# Altium PCB 三代8次PCB.PcbDoc
Units mil, origin at the board's own origin, x right, y up, seen from the top; angles counter-clockwise.
Board outline 1220.44 x 1471.88 mil, 2 copper layers (Top Layer, Bottom Layer); 83 components, 61 nets, 263 pads, 270 vias.
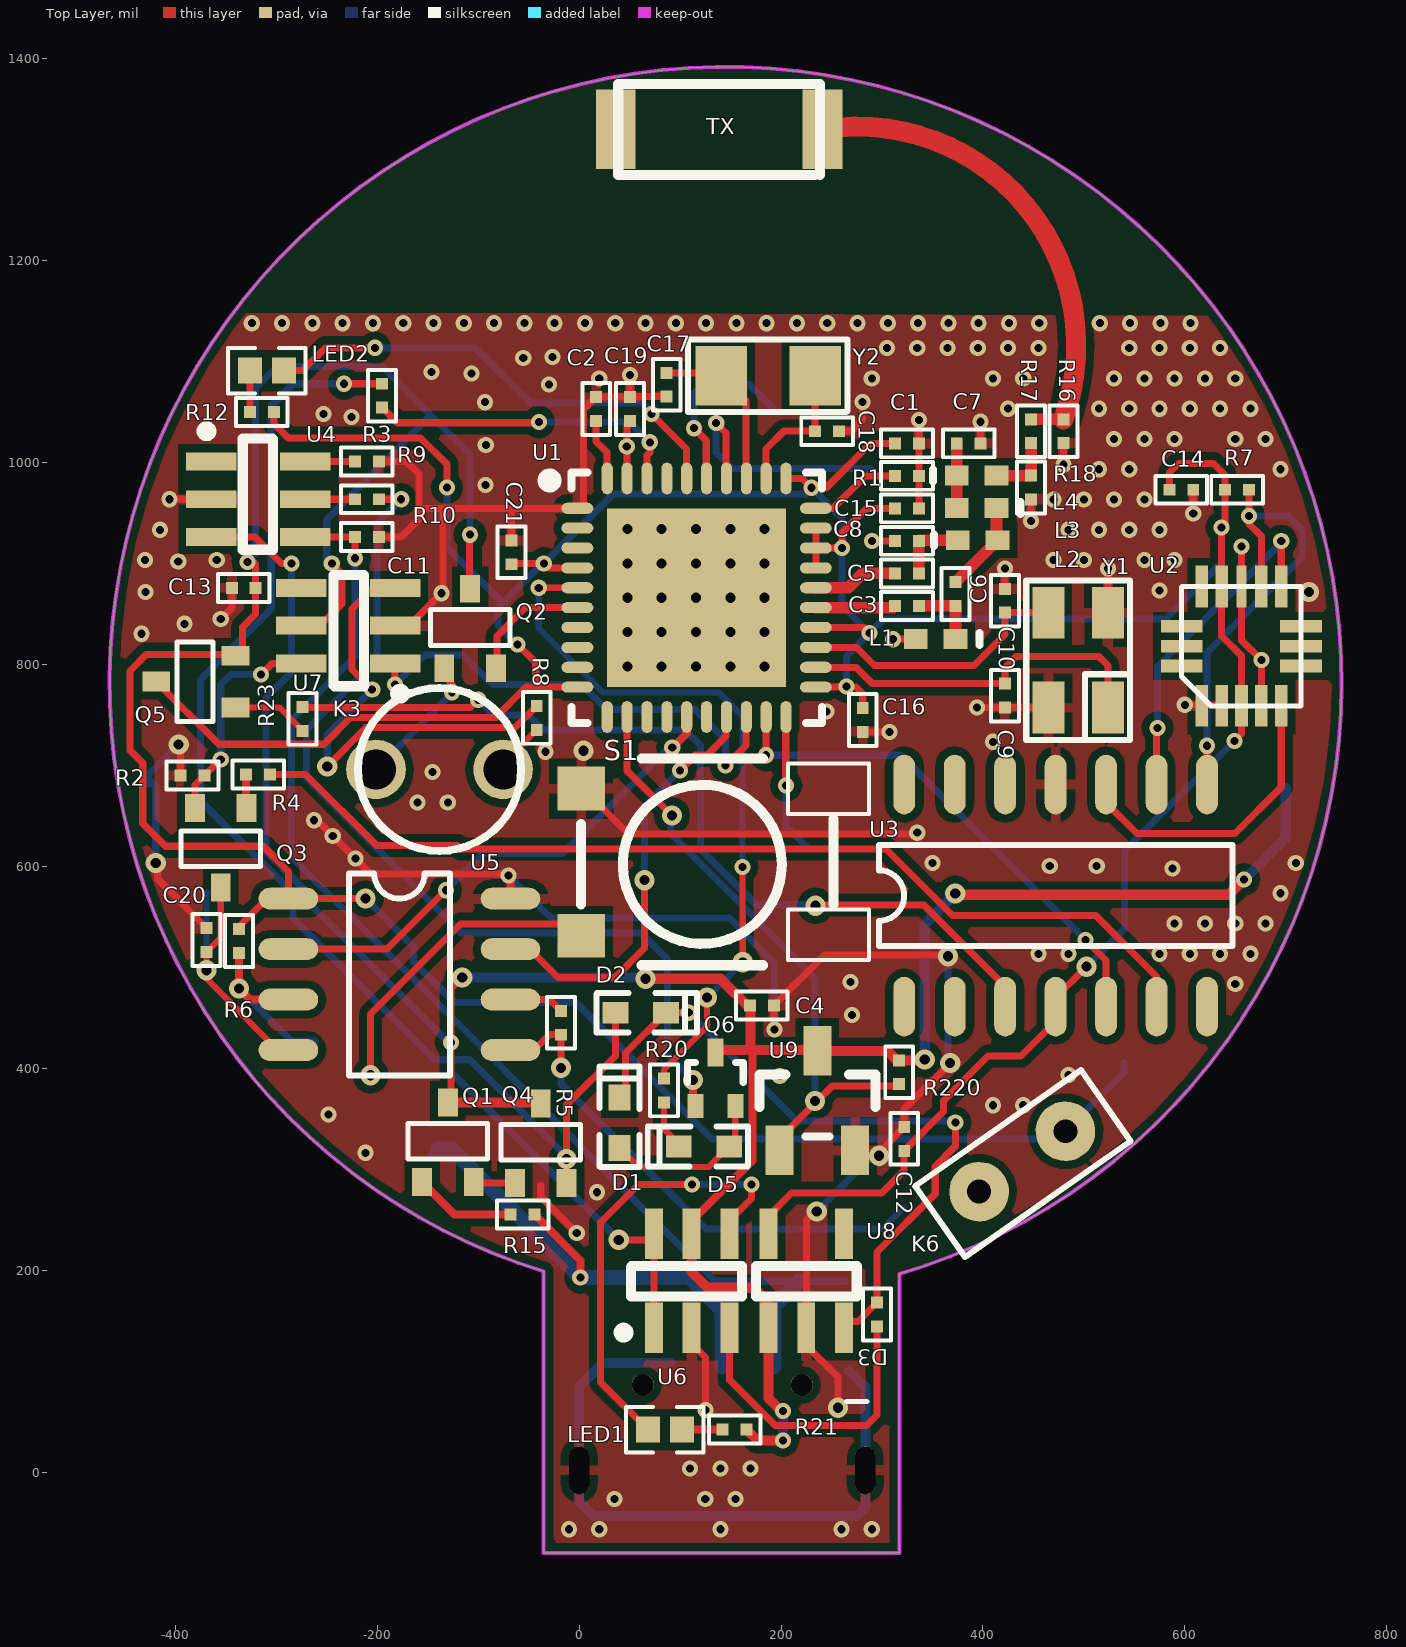
[diagram p0: Top Layer view]
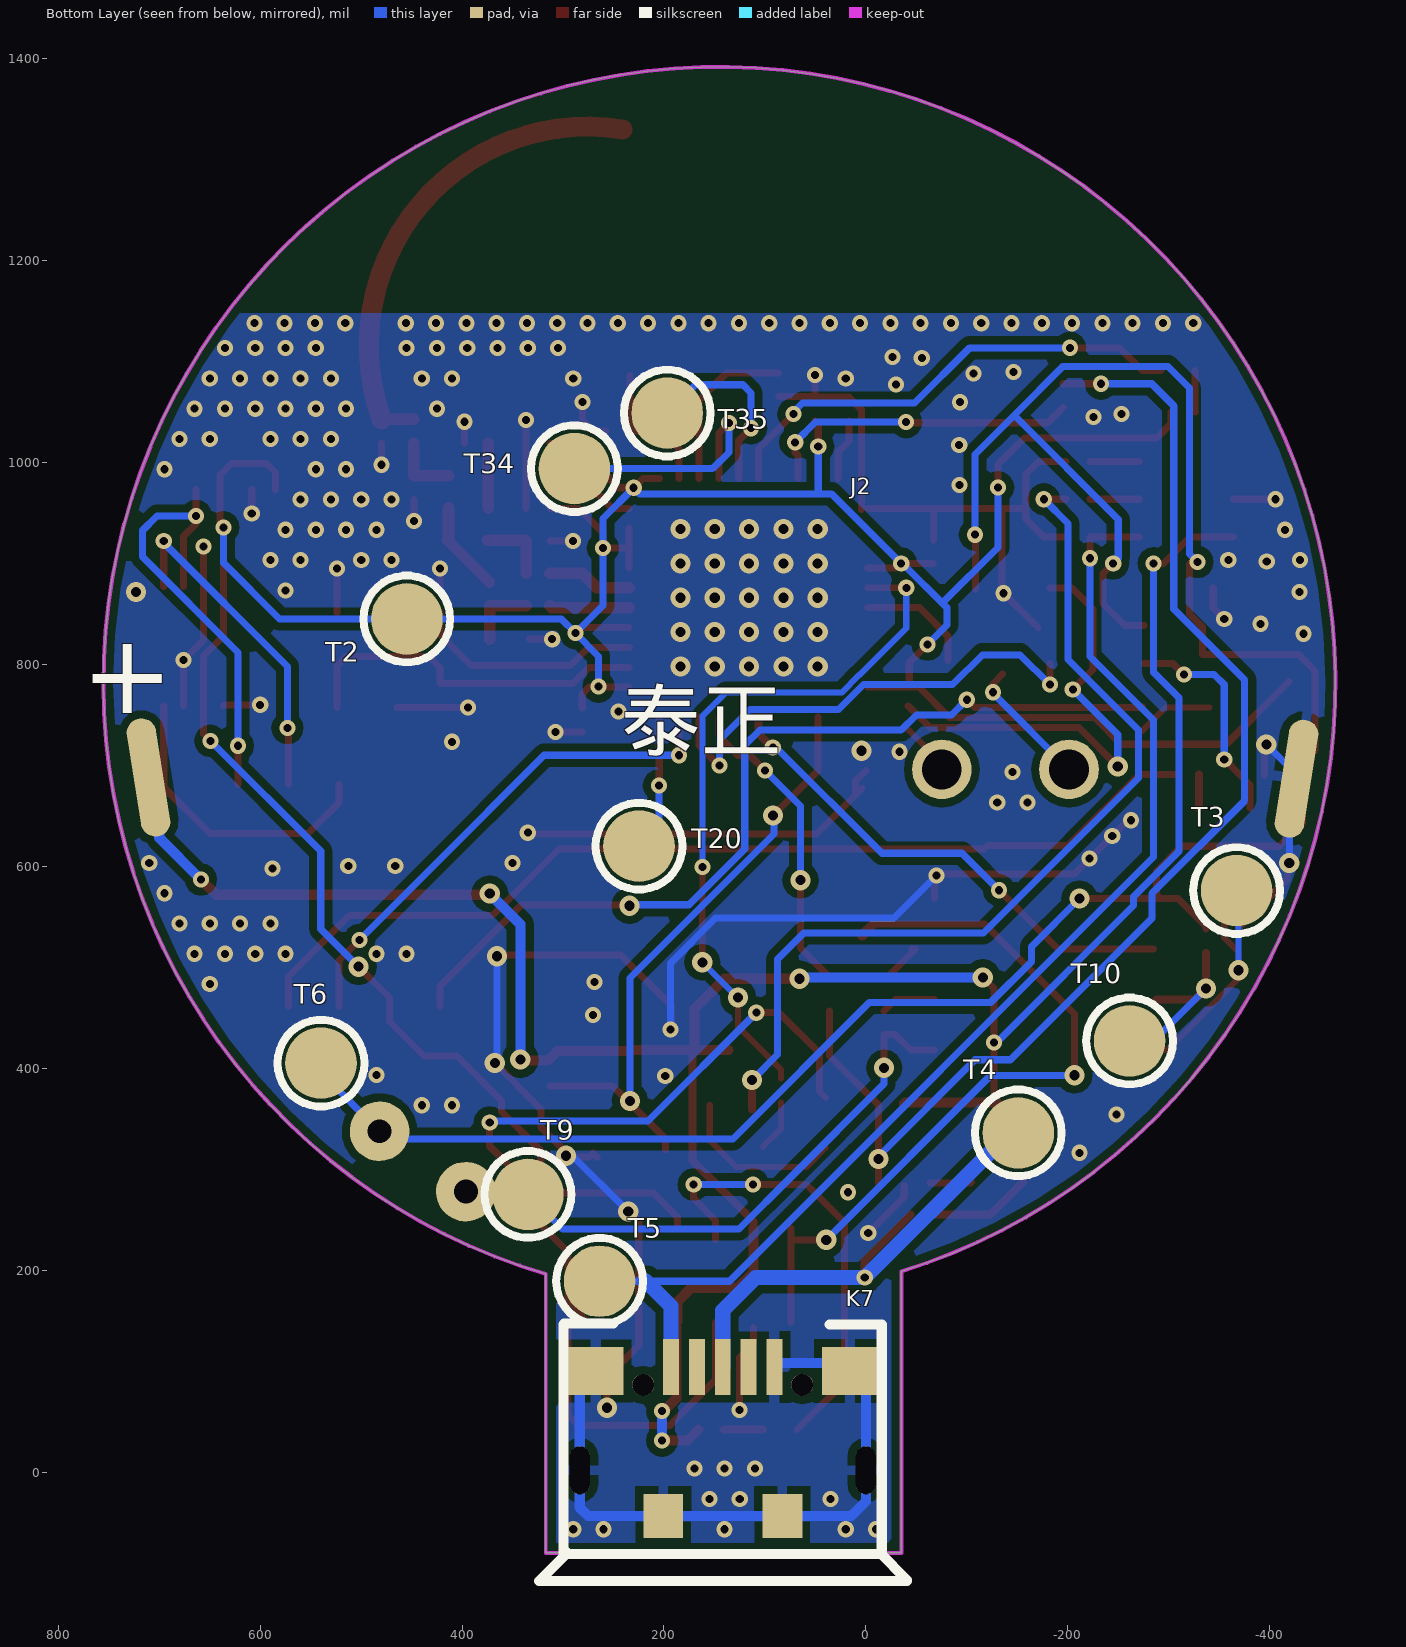
[diagram p1: Bottom Layer view, seen from below]

## Layer stack, top to bottom
Top Layer: signal copper 1.4
Dielectric: dielectric 12.6, FR-4, Dk 4.8
Bottom Layer: signal copper 1.4

## Board outline
-35.27,-80 -35.14,198.76 -35.15,198.7 cw(c145.09,781.71) 317.09,196.22 317.09,196.2 317.09,-80

## Design rules (kind name [scope] priority, off if disabled: settings)
Clearance Clearance_1 [InPoly] p1: gap=6
Clearance [All] p2: gap=3
ComponentClearance [All] p1: gap=0 collisioncheckmode=3 verticalgap=0 showdistances=FALSE
FabricationTestPointUsage TestPointUsage [All] p1: valid=0 allowmultiple=FALSE
FabricationTestpoint Testpoint [(IsPad And (OnTopLayer Or OnBottomLayer))] p1: side=3 testpointundercomponent=TRUE minsize=40 maxsize=100 preferedsize=60 minholesize=0 maxholesize=40 preferedholesize=32 testpointgrid=1 allowsidetop=TRUE allowsidebottom=TRUE usegrid=TRUE gridtolerance=0.01
HoleSize [All] p1: absolutevalues=TRUE maxlimit=200 minlimit=1 maxpercent=80.000 minpercent=20.000
HoleToHoleClearance [All] p1: gap=0 allowstackedmicrovias=TRUE
LayerPairs [All] p1: enforce=FALSE
MinimumSolderMaskSliver [All] p1: minsoldermaskwidth=0
PlaneConnect [All] p1: planeconnectstyle=Direct reliefexpansion=20 reliefentries=4 reliefconductorwidth=10 reliefairgap=10
PolygonConnect PolygonConnect_1 [IsVia] p1: connectstyle=Direct reliefconductorwidth=10 reliefentries=4 polygonreliefangle="90 Angle"
PolygonConnect [All] p2: connectstyle=Relief reliefconductorwidth=10 reliefentries=4 polygonreliefangle="90 Angle"
RoutingVias [All] p1: holewidth=8 width=16 viastyle="Through Hole" minholewidth=1 minwidth=1 maxholewidth=1000 maxwidth=1000
SilkToSilkClearance [All] p1: silktosilkclearance=0
SilkscreenOverComponentPads SilkToSolderMaskClearance [IsPad] p1: minsilkscreentomaskgap=0
SolderMaskExpansion [All] p1: expansion=4
Width [All] p1: maxlimit=100 minlimit=6 preferedwidth=7
18 further rules are at their usual default settings.

## Components (designator, comment, footprint, x,y, rotation, side; value= is the part's Value field where it differs from the comment)
C1 "" 0201 324.73,1019 r180 top locked
C2 "" 0201 16.86,1053 r90 top locked
C3 "" 0201 324.73,858 r180 top locked
C4 "105" 0201 181,462 r180 top
C5 "15P" 0201 324.73,890.2 r180 top locked
C6 "104" 0201 372.73,869.81 r90 top locked
C7 "15P" 0201 385.86,1019 r180 top locked
C8 "15P" 0201 324.73,922.4 r0 top locked
C9 "15P" 0201 421.73,769.08 r270 top locked
C10 "15P" 0201 421.73,863.08 r90 top locked
C11 "" 0201 -210.27,926.2 r0 top locked
C12 "105" 0201 322,330 r90 top
C13 "105" 0201 -332.27,875.8 r180 top
C14 "2.2uF" 0201 596.49,973 r180 top locked
C15 "15P" 0201 324.73,954.6 r180 top locked
C16 "15P" 0201 280.93,745 r270 top locked
C17 "15P" 0201 86.73,1077 r270 top
C18 "15P" 0201 245.58,1031 r0 top locked
C19 "15P" 0201 50.36,1053 r90 top locked
C20 "105" 0201 -369,527 r90 top
C21 "15P" 0201 -67,911 r90 top
D1 "Diode 1N4007" 0402D 40,321 r90 top
D2 "Diode 1N4007" 0402D 36,455 r0 top
D3 "Diode 1N4007" 0201 295,156 r90 top
D5 "Diode 1N4007" 0402D 148.65,322.4 r180 top
J2 "Comment" J1A 70.59,958.02 r180 top locked
K3 "" K3 -75.27,696 r180 top locked
K6 "" K6 535.73,375.4 r215 top
K7 "Comment" ? 141.73,-83 r180 bottom locked
L1 "Inductor" 0402-A 353.05,825 r180 top locked
L2 "Inductor" 0402-A 394.73,923 r0 top locked
L3 "Inductor" 0402-A 393.73,955 r180 top locked
L4 "Inductor" 0402-A 393.73,987 r0 top locked
LED1 "LED0" 0402_R 85,42 r180 top
LED2 "LED0" 0402_R -309.27,1091 r0 top locked
Q1 "8550" SOT-323 -130,366 r0 top
Q2 "8550" SOT-323 -108,875 r0 top
Q3 "8550" SOT-323 -355,579 r180 top
Q4 "S8050" SOT-323 -38,365 r0 top
Q5 "8550" SOT-323 -419,783 r90 top
Q6 "8550" LC-SOT-523 135,389 r270 top
R1 "56K" 0201 324.73,986.8 r180 top locked
R2 "100K" 0201 -383,690 r180 top
R3 "4.7K" 0201 -195.27,1066.19 r90 top
R4 "100K" 0201 -318,691 r180 top
R5 "10K" 0201 -18,445 r90 top
R6 "10K" 0201 -337,526 r270 top
R7 "10K" 0201 651.73,973 r0 top locked
R8 "4.7K" 0201 -42,747 r90 top
R9 "2K" 0201 -210.27,1001 r0 top locked
R10 "10K" 0201 -210.27,963.6 r180 top locked
R12 "10K" 0201 -314.27,1050 r180 top locked
R15 "100" 0201 -56,255 r180 top
R16 "1.2M" 0201 479.73,1031 r270 top locked
R17 "2K" 0201 447.73,1031 r270 top locked
R18 "10K" 0201 447.73,975.19 r270 top locked
R20 "10K" 0201 84,378 r90 top
R21 "4K7" 0201 154,42 r180 top
R23 "4.7K" 0201 -274,746 r90 top
R220 "10K" RES 317,396 r180 top
S1 "SW" PCBComponent_1 2,677 r0 top locked
T2 "Component_1" TP 454.73,845 r0 top
T3 "Component_1" TP -367.27,576 r0 top
T4 "Component_1" TP -151,336 r0 top
T5 "Component_1" TP 263.73,189 r0 top
T6 "Component_1" TP 539.73,405 r0 top
T9 "Component_1" TP 334.73,275 r0 top
T10 "Component_1" TP -261.27,427 r0 top
T20 "Component_1" TP 224.73,620 r0 top
T34 "Component_1" TP 288.73,994 r0 top
T35 "Component_1" TP 196.73,1049 r0 top
TX "Antenna" WIRE 138.73,1330 r180 top locked
U1 "U3" LC-QFN-40_6x6x05P 116.4,866.05 r270 top locked
U2 "U4" U2-4 616.73,759 r90 top locked
U3 "U3" SOP14 322,461 r90 top locked
U4 "" SOT23-6 -364.27,1001 r0 top locked
U5 "" SO-8 -288,568 r0 top locked
U6 "Component_1_2" SOT23-6 74,143 r90 top
U7 "" SOT23-6 -182.27,801 r180 top locked
U8 "" SOT23-5 186,143 r90 top
U9 "ME2808A" LC-SOT-23(SOT-23-3) 236,368 r270 top
Y1 "Y1" CY_3225 481.73,761 r90 top locked
Y2 "XTAL" CRYSTAL_3215 174.73,1059 r0 top locked

## Footprints (in the part's own frame and the unit in brackets; to place one, negate y for a bottom-side part, rotate by r counter-clockwise, add the part's x,y. Pads: shape width x height; smd on the part's side, far side on the other; paste and mask are expansions set on the pad)
0201 [mm] "1/20W贴片电阻"
  rect 0.3x0.3 smd: 1(-0.3,0) 2(0.3,0)
  silkscreen extent -0.65,-0.35 0.65,0.35, body extent -0.3,-0.15 0.3,0.15, height 0.23
0402-A [mm] "Chip Inductor, Body 1.0x0."
  rect 0.6x0.5 smd: 1(-0.5,0) 2(0.5,0)
  silkscreen extent -1.1,-0.15 -1.1,0.15, body extent -0.55,-0.3 0.55,0.3, height 0.55
0402_R [mm]
  rect 0.6x0.65 smd mask+0.051: 1(-0.425,0) 2(0.425,0)
  silkscreen extent -0.97,-0.58 0.97,0.58, body extent -0.57,-0.27 0.58,0.28, height 0.41
0402D [mm]
  rect 0.65x0.55 smd: 1(0,0) 2(1.27,0)
  silkscreen extent -0.48,-0.5 2.05,0.5
CRYSTAL_3215 [mm]
  rect 1.3x1.5 smd: 1(-0.862,0.685) 2(1.5,0.685)
  silkscreen extent -1.7,-0.23 2.31,1.6
CY_3225 [mm]
  rect 1.3x0.8 smd: 1(-0.095,-1.07) 2(2.293,-1.07) 3(2.293,0.428) 4(-0.095,0.428)
  silkscreen extent -0.91,-1.63 3.11,0.99
J1A [mm]
  oval 3x0.75 smd far side rot 81: 1(-16.256,6.858)
  oval 3x0.75 smd far side rot 99: 2(12.628,6.89)
K3 [mm]
  round 1.5 hole 1: 1(0,0) 2(3.2,0)
  silkscreen extent -0.45,-2.05 3.65,2.05
K6 [mm]
  round 1.5 hole 0.6: 1(1.675,0) 2(4.325,0)
  silkscreen extent 0.47,-1.04 5.56,1.14
LC-QFN-40_6x6x05P [mm]
  oval 0.28x0.8 smd mask+0.051: 1(-2.25,-3) 2(-1.75,-3) 3(-1.25,-3) 4(-0.75,-3) 5(-0.25,-3) 6(0.25,-3) 7(0.75,-3) 8(1.25,-3) 9(1.75,-3) 10(2.25,-3) 21(2.25,3) 22(1.75,3) 23(1.25,3) 24(0.75,3) 25(0.25,3) 26(-0.25,3) 27(-0.75,3) 28(-1.25,3) 29(-1.75,3) 30(-2.25,3)
  oval 0.8x0.28 smd mask+0.051: 11(3,-2.25) 12(3,-1.75) 13(3,-1.25) 14(3,-0.75) 15(3,-0.25) 16(3,0.25) 17(3,0.75) 18(3,1.25) 19(3,1.75) 20(3,2.25) 31(-3,2.25) 32(-3,1.75) 33(-3,1.25) 34(-3,0.75) 35(-3,0.25) 36(-3,-0.25) 37(-3,-0.75) 38(-3,-1.25) 39(-3,-1.75) 40(-3,-2.25)
  rect 4.5x4.5 smd mask+0.051: 41(0,0)
  silkscreen extent -3.15,-3.85 3.15,3.15
LC-SOT-23(SOT-23-3) [mm]
  rect 1.25x0.7 smd: 1(1.25,-0.95) 2(1.25,0.95) 3(-1.25,0)
  silkscreen extent -0.65,-1.46 0.9,1.46, body extent -1.5,-1.5 1.5,1.5, height 1.3
LC-SOT-523 [mm]
  rect 0.6x0.4 smd: B(0.675,-0.5) E(0.675,0.5)
  rect 0.7x0.4 smd: C(-0.675,0)
  silkscreen extent -0.42,-0.7 0.08,0.7, body extent -0.83,-0.8 0.77,0.8, height 0.8
PCBComponent_1 [mm]
  rect 1.2x1.1 smd: 1(0,0) 3(0,-3.7)
  silkscreen extent 0,-4.44 7.24,0.76
RES [mm]
  rect 0.3x0.3 smd: 1(0,-0.3) 2(0,0.3)
  silkscreen extent -0.35,-0.65 0.35,0.65, body extent -0.15,-0.3 0.15,0.3, height 0.23
SO-8 [mm]
  oval 1.5x0.55 smd: 1(0,0) 2(0,-1.27) 3(0,-2.54) 4(0,-3.81) 5(5.588,-3.81) 6(5.588,-2.54) 7(5.588,-1.27) 8(5.588,0)
  silkscreen extent 1.52,-4.44 4.06,0.64
SOP14 [mm]
  oval 1.5x0.55 smd: 1(0,0) 2(0,-1.27) 3(0,-2.54) 4(0,-3.81) 5(0,-5.08) 6(0,-6.35) 7(0,-7.62) 8(5.588,-7.62) 9(5.588,-6.35) 10(5.588,-5.08) 11(5.588,-3.81) 12(5.588,-2.54) 13(5.588,-1.27) 14(5.588,0)
  silkscreen extent 1.52,-8.25 4.06,0.64
SOT23-5 [mm]
  rect 1.27x0.45 smd: 1(0,-0.041) 2(0,-0.991) 3(0,-1.941) 4(2.362,-1.941) 5(2.362,-0.041)
  silkscreen extent 0.79,-2.26 1.55,0.28
SOT23-6 [mm]
  rect 1.27x0.45 smd: 1(0,0) 2(0,-0.95) 3(0,-1.9) 4(2.362,-1.9) 5(2.362,-0.95) 6(2.362,0)
  silkscreen extent -0.25,-2.22 1.55,0.89
SOT-323 [mm]
  rect 0.5x0.7 smd: B(-0.65,-2) C(0,0) E(0.65,-2)
  silkscreen extent -1,-1.43 1,-0.53
TP [mm]
  round 1.8 smd far side: 1(0,0)
U2-4 [mm]
  rect 1.05x0.32 smd: 1(0,0) 2(0,-0.5) 3(0,-1) 4(0,-1.5) 5(0,-2) 9(3,-2) 10(3,-1.5) 12(3,-0.5) 13(3,0)
  round 0.7 on Top Overlay: 1(0.1,0.9)
  rect 0.32x1.05 smd: 6(1,-2.5) 7(1.5,-2.5) 8(2,-2.5) 14(2,0.5) 15(1.5,0.5) 16(1,0.5)
  rect 1.05x0.25 smd: 11(3,-1)
  silkscreen extent 0,-2.5 3,0.51
WIRE [mm]
  rect 1x2 smd: 1(-2.6,0) 2(2.6,0)
  silkscreen extent -2.54,-1.14 2.54,1.14
? [mm]
  rect 1.4x1.2 smd: 0(-3.2,4.65) 0(3.2,4.65)
  rect 1x1.1 smd: 0(-1.5,1) 0(1.5,1)
  rect 0.4x1.4 smd: 1(-1.3,4.75) 2(-0.65,4.75) 3(0,4.75) 4(0.65,4.75) 5(1.3,4.75)
  round 0.55 hole 0.55 unplated: 2(-2,4.3) 3(2,4.3)
  oval 0.5x1.2 hole 0.5 slot 1.2 at 90 deg unplated: 6(-3.6,2.15)
  oval 0.5x1.2 hole 0.5 slot 1.2 at 90 deg: 7(3.6,2.15)
  silkscreen extent -4.62,-0.64 4.63,5.84

## Part data
C1 C2 C3 C4 C5 C6 C7 C8 C9 C10 C11 C12 C13 C14 C15 C16 C17 C18 C19 C20 C21: library part Cap, "Capacitor"
D1 D2 D3 D5: "1 Amp General Purpose Rectifier"
J2 K3 K6: library part J1
K7: library part K7
LED1 LED2: "Typical INFRARED GaAs LED"
Q1 Q2 Q3 Q5 Q6: library part NPN, "NPN Bipolar Transistor"
Q4: "NPN Transistor"
R1 R2 R3 R4 R5 R6 R7 R8 R9 R10 R12 R15 R16 R17 R18 R20 R21 R23 R220: library part Res2, "Resistor"
S1 U4 U7: library part Component_1
TX: "Generic Antenna"
U1: library part SS245
U5: library part IC
U8: library part U8
Y2: "Crystal Oscillator"

## Via types
v1: diameter 16, hole 8, Top Layer to Bottom Layer, tented both sides, 182 vias
v2: diameter 20, hole 10, Top Layer to Bottom Layer, 54 vias
v3: diameter 16, hole 8, Top Layer to Bottom Layer, 34 vias

## Nets (pads, with @x,y where several pads share a name; then routed paths per layer and width w, separated by ;. In a path a pad name is that pad's centre, name@x,y a point inside that pad or via, vN(x,y) a via of type N, cw(c..) or ccw(c..) an arc to the next point about the centre after c; other vN are vias at no path point)
3.3V: C1.2 C12.1 C14.2 C15.2 C16.1 C19.1 C21.1 Q5.C R7.1 R12.1 T2.1 U1.4 U1.10 U1.21 U1.24 U1.27 U1.28 U1.29 U1.31 U1.39 U2.3 U2.12 U3.4 U8.5 | length 3562.2
  Top Layer w7: Q5.C -356.92,720.92 -252.82,720.92 -226.35,747.4 -82.61,747.4 -52.53,777.47 U1.10 ; R12.1 -302.46,1038.68 -288.2,1024.43 -157.19,1024.43 -130.98,998.21 v1(-130.98,975.38) ; C21.1@-67,900 v1(-35,900) ; v1(-61.07,819.8) -43,801.73 -43,778.09 ; v1@-34.58,900.42 -29.74,895.58 U1.4 ; U1.39@47.18,984.16 v1(47.18,1016) 47.18,1038.01 C19.1 ; U8.5@186.6,242 186.6,252.39 210.47,276.26 299.68,276.26 322,298.58 C12.1 360.82,357.01 360.82,367.8 405.02,412 437.63,412 472,446.37 U3.4 472,470.03 v2(502.54,500.58) ; U1.31@204.66,984.1 U1.31@204.66,984.16 ; U1.31 220.84,984.16 v1(230,975) 244.73,975 288.73,1019 C1.2 ; U1.21@234.51,777.63 v1@264.73,777.63 ; U1.24 v1@282.21,836.52 ; U1.27 U1.28 ; U1.29 U1.28 ; 274.1,777.63 280.93,770.8 C16.1 ; C15.2 284.6,954.6 260.47,930.47 v1(260.47,915.26) U1.28 ; C14.2 584.68,989.94 593.73,999 628.42,999 639.92,987.49 639.92,939.19 v1(636.42,935.68) 636.42,828.32 656.1,808.63 U2.3 656.1,731.1
  Bottom Layer w7: v1(-130.98,975.38) -130.98,915.98 -76.16,861.16 ; v1(-61.07,819.8) -80.27,839 -80.27,856.18 -36.45,900 v1(-35,900) 34,969 224,969 ; 47.18,969.08 47.18,1000.8 ; 47.18,990.55 47.18,1000.8 ; v1(47.18,1016) 47.18,1000.8 ; v1(230,975) 260.47,944.53 v1(260.47,915.26) 260.47,858.26 v1(287.73,831) ; v1(264.73,778) 264.73,808 v1(287.73,831) ; v2(502.54,500.58) 540,538.03 540,615 v1(649.26,724.26) ; v1(636.42,935.68) 636.42,900.68 580.73,845 T2.1 301.73,845 v1(287.73,831)
+: C4.2 J2.1 Q1.C Q4.C Q6.C R21.1 R220.1 U4.3 U6.5 U8.1 U9.3 | length 2505
  Top Layer w7: U4.3 -321.2,926.2 -295,900 v1(-285,900) ; Q1.C -127,369 v1(-127,425.53) -127,478.83 v2(-115.83,490)
  Top Layer w8: U6.5@111.4,241 111.4,248.36 171.8,308.75 171.8,415.86 169.65,418.01
  Top Layer w10: Q1.C -39,366 Q4.C ; v2(65.66,488.62) 139.89,488.62 169.65,458.86 169.65,418.01 ; U6.5@111.4,241 111.4,198.14 127.05,182.5 172.86,182.5 186.6,168.76 U8.1@186.6,149 ; Q6.C@135.88,418.01 169.65,418.01 ; R21.1 176.62,31.19 v3(201.86,31.19) ; U8.1 187.6,73.06 v3@202.14,58.52 ; U9.3@232.25,418.01 169.65,418.01 ; U9.3 305.34,417.21 R220.1@314.13,408.43 ; R220.1 341.48,407.81 v2(342.3,408.63) ; v2@373.04,571.88 643.61,571.88 v1(658.73,587)
  Bottom Layer w7: v1(-285,900) -285,792.2 -310,767.2 -310,614.64 -265.19,569.83 -265.19,561.05 -129.67,425.53 v1(-127,425.53)
  Bottom Layer w10: v2(-115.83,490) v2@64.19,490 ; v3(201.86,31.19) v3(201.86,60.45) ; v2(342.3,408.63) 342.3,542.65 v2(372.59,572.94) ; v1(658.73,587) 699.92,628.19 J2.1@699.92,677.35
GND: C1.1 C2.2 C4.1 C7.1 C8.1 C9.2 C10.2 C11.2 C12.2 C13.2 C14.1 C15.1 C16.2 C17.2 C18.2 C19.2 C20.2 C21.2 J2.2 K7.0 K7.5 K7.6 K7.7 L1.2 R1.1 R2.2 R9.2 R16.2 R18.2 S1.1 U1.1 U1.41 U2.1@616.73,759 U2.2 U2.4 U2.11 U3.11 U4.2 U5.8 U6.2 U7.2 U8.2 U9.2 Y1.2 Y1.4 | length 4191.6
  Top Layer w7: v2@-420.98,608.29 -417.85,605.15 -417.85,587.66 C20.2 ; v1(-405.67,963.6) U4.2 ; v2(-396.69,720.74) -394.81,718.86 R2.2 ; v1(-355,845) -344.08,855.92 C13.2 ; v3(-262.76,645.64) -259.73,645.64 v3(-244.08,629.98) -206.4,592.31 v1@-65.65,592.31 ; C11.2 -176.27,926.2 -158.68,943.78 -158.68,954.37 ; R9.2 -171.21,1001 -158.68,988.47 -158.68,954.63 -134.69,954.63 ; U7.2@-170.35,836.51 v1(-136.37,870.49) -134.69,872.17 -134.69,954.63 ; U5.8 v1@-68,589.95 ; C21.2 -67,952.08 ; -38.04,283.88 -38.04,272.58 v3(-2.39,236.93) ; U1.1 -134.69,954.63 ; S1.1@0,695 10.29,684.71 S1.1@10.29,670.62 ; S1.1@4,677 48.94,632.06 v1@338.93,632.06 ; U1.1@4.5,953.38 4.5,1011.01 4.46,1011.05 4.46,1052.27 16.86,1064.67 C2.2 C19.2 ; v1(50.36,1086.63) C19.2 ; C17.2 50.74,1065.19 C19.2 ; U6.2 111.4,127.13 125.17,113.37 v3@125.17,59.33 ; v3@196.31,438.05 192.81,441.55 C4.1 242.93,512.12 v2@367.13,512.12 ; v2@234.27,259.04 225,249.77 U8.2 225,125.46 256.4,94.06 v2(256.4,63.71) ; C18.2 269.73,1031 280.73,1042 v1(280.73,1060) ; U9.2@265.97,311.35 270.36,315.74 273.89,312.21 292.4,312.21 C12.2 322,359.69 v2(367.55,405.23) ; C16.2 v1(307.54,733.19) ; v1(290.13,922.4) C8.1 ; v1(310.73,825) L1.2 ; C15.1 R1.1 C1.1 v1(336.54,1042) ; v1(394,757.27) Y1.4 ; C7.1 v1(397.67,1040.38) ; C10.2 v1(421.73,895) ; v1(447.73,942) R18.2 ; v1(479.73,997.81) R16.2 ; Y1.2 v1(523.87,894.86) ; v1@595,760 635.42,760 U2.2 ; v1(608.3,949.43) C14.1 ; v1(656.1,916.63) U2.11 656.1,823.9 v1(675.79,804.21) U2.4
  Bottom Layer w7: J2.2@-426.57,681.57 J2.2 -419.43,679.61 v2(-419.43,603.31) ; J2.2@-426.57,690.85 v2(-396.69,720.74) ; v1(-69.93,590.85) -27.76,548.69 148.8,548.69 193.5,503.99 v3(193.5,438.19) ; v2(235.39,257.92) v2@292.56,315.09 ; v2@365.36,407.42 v2(365.36,510.94)
  Bottom Layer w10: K7.5@90.55,108.12 23.8,108.12 0,84.32 K7.7 0,-29.27 14.36,-43.63 275.1,-43.63 283.46,-35.27 K7.6 283.46,84.32 K7.0@267.72,100.07
  other v1: -10.11,-56.68 19.89,-56.68 139.89,-56.68 259.89,-56.68 289.89,-56.68 34.89,-26.68 124.89,-26.68 154.89,-26.68 109.89,3.32 139.89,3.32 169.89,3.32 409.89,363.32 439.89,363.32 484.89,393.32 649.89,483.32 454.89,513.32 484.89,513.32 574.89,513.32 604.89,513.32 634.89,513.32 664.89,513.32 589.89,543.32 619.89,543.32 649.89,543.32 679.89,543.32 694.89,573.32 349.89,603.32 709.89,603.32 334.89,633.32 -160.11,663.32 -130.11,663.32 -145.11,693.32 -33.2,713.45 409.89,723.32 244.89,753.32 599.96,760 574.89,873.32 -430.11,903.32 469.89,903.32 499.89,903.32 559.89,903.32 589.89,903.32 -415.11,933.32 484.89,933.32 514.89,933.32 544.89,933.32 574.89,933.32 469.89,963.32 499.89,963.32 529.89,963.32 559.89,963.32 514.89,993.32 544.89,993.32 694.89,993.32 529.89,1023.32 559.89,1023.32 589.89,1023.32 649.89,1023.32 679.89,1023.32 424.89,1053.32 514.89,1053.32 544.89,1053.32 574.89,1053.32 604.89,1053.32 634.89,1053.32 664.89,1053.32 19.89,1083.32 289.89,1083.32 409.89,1083.32 439.89,1083.32 529.89,1083.32 559.89,1083.32 589.89,1083.32 619.89,1083.32 649.89,1083.32 304.89,1113.32 334.89,1113.32 364.89,1113.32 394.89,1113.32 424.89,1113.32 454.89,1113.32 544.89,1113.32 574.89,1113.32 604.89,1113.32 634.89,1113.32 -324.27,1138 -294.27,1138 -264.27,1138 -234.27,1138 -204.27,1138 -174.27,1138 -144.27,1138 -114.27,1138 -84.27,1138 -54.27,1138 -24.27,1138 5.73,1138 35.73,1138 65.73,1138 95.73,1138 125.73,1138 155.73,1138 185.73,1138 215.73,1138 245.73,1138 275.73,1138 305.73,1138 335.73,1138 365.73,1138 395.73,1138 425.73,1138 455.73,1138 515.73,1138 545.73,1138 575.73,1138 605.73,1138
  other v2: 297.03,313.26 4.19,714.46 47.73,798 81.73,798 115.73,798 149.73,798 183.73,798 47.73,832 81.73,832 115.73,832 149.73,832 183.73,832 47.73,866 81.73,866 115.73,866 149.73,866 183.73,866 723.03,871.64 47.73,900 81.73,900 115.73,900 149.73,900 183.73,900 47.73,934 81.73,934 115.73,934 149.73,934 183.73,934
  other v3: 125.17,61.43 17.73,277.17 -211.59,316.19 -248.25,354.08 198.73,392.45 270.42,452.83 268.92,485.38 587.74,597.91 466.16,600.48 512.68,600.48 -221.56,607.61 -433.59,830.35 -390.86,840.22 -429.56,871.67 -397.1,901.9 -359.01,903.31 -92.77,977.6 -92.46,1017.45 -225.65,1045.19 -253.18,1048 -93.38,1059.73 -30,1077.39 -106.73,1088.31 -146.32,1089.68 -55.4,1103.6 -26.45,1104.45
NetC2_1: C2.1 U1.40 | length 61.5
  Top Layer w7: C2.1 16.86,1020.87 27.5,1010.23 U1.40@27.5,984.1
NetC3_1: C3.1 C6.1 L1.1 | length 69.2
  Top Layer w11.55: C3.1 C6.1 L1.1
NetC3_2: C3.2 U1.25 | length 79.3
  Top Layer w11.55: U1.25@234.38,856.21 311.13,856.21 C3.2
NetC5_1: C5.1 C8.2 L2.1 | length 71
  Top Layer w10: C8.2 C8.2@337.14,923
  Top Layer w11.55: C5.1 C8.2 ; C8.2@337.14,923 L2.1
NetC5_2: C5.2 U1.26 | length 84.5
  Top Layer w11.55: U1.26@234.38,875.89 266.62,875.89 280.93,890.2 C5.2
NetC6_2: C6.2 L2.2 L3.1 | length 91.2
  Top Layer w7: C6.2 C6.2@373.04,881.62 ; L2.2@413.42,924 L2.2
  Top Layer w11.55: C6.2@373.04,881.62 L2.2 ; L2.2@413.42,924 L3.1
NetC7_2: C7.2 L3.2 L4.1 | length 64
  Top Layer w11.55: L3.2 L4.1 C7.2
NetC9_1: C9.1 U1.22 Y1.1 | length 362.3
  Top Layer w7: U1.22@234.38,797.15 274.38,797.15 290.64,780.89 C9.1 421.73,797 432.73,808 514.73,808 523.87,798.86 Y1.1
NetC10_1: C10.1 U1.23 Y1.3 | length 272.3
  Top Layer w7: U1.23@234.38,816.84 274.9,816.84 292.73,799 391.25,799 421.73,829.49 C10.1 Y1.3
NetC11_1: C11.1 K7.1 T5.1 U4.4 | length 1210.3
  Top Layer w7: U4.4 C11.1 v1(-222.08,905.19)
  Bottom Layer w7: v1(-222.08,905.19) -222.08,807.92 -285,745 -285,609.18 135.18,189 217.73,189 T5.1
  Bottom Layer w15: K7.1 192.91,164.18 217.73,189
NetC13_1: C13.1 K6.1 Q2.C Q5.E R6.1 T6.1 U5.1 U7.5 | length 2491.1
  Top Layer w7: R6.1 -337,540.31 -309.31,568 U5.1 ; v1(-328.46,901.54) -322.45,901.54 -320.46,899.54 C13.1 -320.46,849.81 -333.27,837 -333.27,810 -428.42,810 -445,793.42 -445,715 -432.29,702.29 -432.29,642.29 -409.9,619.9 -312.9,619.9 -288,595 U5.1@-288,572 ; U5.1@-290,570 U5.1@-288,572 ; U7.5 -256.6,838.4 -235,860 -235,890 v1(-245,900) ; v2(-211.57,568) U5.1 ; Q2.C@-108.45,874 v1@-108.45,929.3 ; U5.1 U5.1@-288,572
  Bottom Layer w7: v1(-328.46,901.54) -320.46,909.54 -320.46,1073.86 -299.31,1095 -195,1095 -147.59,1047.59 ; v1(-245,900) -250,905 -250,943.55 -147.59,1045.96 -147.59,1047.59 ; v2@-216.16,571.52 -215.08,571.52 v2(-211.57,568) -164.28,520.72 -164.28,505.86 -123.71,465.29 -3.63,465.29 131.66,330 474.14,330 K6.1 539.73,395.59 T6.1 ; v1(-108,928.5) -108,976.29 ; -108,951.28 -108,976.29 ; -147.59,1047.59 -108,1008 -108,976.29
NetC17_1: C17.1 U1.33 Y2.1 | length 167.3
  Top Layer w7: C17.1 137.94,1088.81 Y2.1 165.29,1061.45 U1.33@165.29,984.1
NetC18_1: C18.1 U1.32 Y2.2 | length 140.3
  Top Layer w7: U1.32@184.98,984.1 184.98,1013.25 202.73,1031 C18.1 Y2.2
NetC20_1: C20.1 Q3.C T3.1 U5.4 | length 283.8
  Top Layer w6.06: Q3.C -355,529.19 C20.1 v2(-369,497.07) -369,488.41 -298.59,418 U5.4
  Bottom Layer w6.06: v2(-369,497.07) -369,540.07 T3.1@-369,574.27
NetD1_1: D1.1 D5.1 Q6.E | length 168.4
  Top Layer w6.06: D1.1 58.67,302.33 128.57,302.33 154.69,328.44 Q6.E@154.69,363.59
NetD1_2: D1.2 D2.2 D3.2 U8.3 | length 685.8
  Top Layer w7: D1.2 45.92,376.92 45.92,414.92 D2.2 v1(108.53,455) v1@109.55,455 ; U8.3@261.4,149 276.19,149 D3.2 295,217.88 352.73,275.61 352.73,302.81 372.61,322.68 v1@372.61,345.62
  Bottom Layer w7: v1(108.53,455) 215.81,347.72 v1@371.97,347.72
  other v1: 372.61,346.22
NetD2_1: D2.1 Q4.E R3.2 | length 1255.7
  Top Layer w7: v1(-233,1078) R3.2 ; Q4.E v2(-12.41,310.15) -12.41,363.88 35.92,412.21 D2.1@35.92,456.77
  Bottom Layer w7: v1(-233,1078) -283.18,1078 -305,1056.18 -305,855 -375.27,784.73 -375.27,665 -283.55,573.28 -283.55,548.55 -143.38,408.38 -108.22,408.38 -12.41,312.57 v2(-12.41,310.15) v2@-12.41,309.75
NetD3_1: D3.1 U6.3 | length 313.8
  Top Layer w7: U6.3@148.8,148 U6.3 148.8,91.42 194.28,45.95 284.6,45.95 295,56.35 D3.1
NetD5_2: D5.2 R20.1 | length 51.6
  Top Layer w6.06: R20.1 84,340 D5.2@102,322
NetK3_1: K3.1 R8.1 | length 53
  Top Layer w6.06: K3.1 -75.27,701.92 R8.1
NetK3_2: K3.2 Q2.B | length 129.6
  Top Layer w7: Q2.B@-135.45,790.35 -125.86,780.77 v1(-125.86,772.41)
  Bottom Layer w7: K3.2 -125.86,771.4 v1(-125.86,772.41)
NetK6_2: K6.2 R5.1 T9.1 U5.5 | length 510.6
  Top Layer w7: U5.5 -44.62,418 -29.43,433.19 R5.1 v2@-18,402.5
  Bottom Layer w7: v2(-18.09,400.41) -18.09,384.57 73.95,292.53 125.71,240.77 300.5,240.77 T9.1@321.43,261.7
NetK7_3: K7.3@141.73,104.01 R15.1 T4.1 | length 494.8
  Top Layer w8: R15.1 1.14,209.67 v1(1.14,192.59)
  Bottom Layer w7: T4.1@-146.86,313.41 T4.1@-140.27,320
  Bottom Layer w15: T4.1@-140.27,320 -126.27,320 v1(1.14,192.59) 109.14,192.59 141.73,160 K7.3@141.73,104.01
NetL4_2: L4.2 R17.2 R18.1 | length 66.5
  Top Layer w11.55: L4.2 R18.1 R17.2
NetLED1_1: LED1.1 R21.2 | length 39.5
  Top Layer w8: LED1.1 R21.2@141.19,42
NetLED1_2: LED1.2 U6.4 | length 463.3
  Top Layer w7: LED1.2 21.31,88.96 21.31,247.19 58.94,284.81 v3(111.72,284.81) ; U6.4@148.8,230 U6.4 ; U6.4@148.8,244.96 U6.4 ; v3(170.55,284.81) 170.55,270.93 148.8,249.18 U6.4
  Bottom Layer w7: v3(111.72,284.81) v3(170.55,284.81) v3@171.61,284.81
NetLED2_1: LED2.1 R12.2 | length 41.4
  Top Layer w6.06: R12.2 R12.2@-326,1050.08
  Top Layer w7: R12.2@-326.27,1050.19 R12.2 -326.08,1090.92 LED2.1
NetLED2_2: LED2.2 U1.36 | length 480.2
  Top Layer w7: LED2.2 -274,1091 -251.38,1113.62 v1(-202.27,1113.62) ; v1(71.73,1048) 106.24,1013.49 U1.36@106.24,984.1
  Bottom Layer w7: v1(-202.27,1113.62) -102.89,1113.62 -48.27,1059 62.75,1059 71.73,1050.01 v1(71.73,1048)
NetQ1_B: Q1.B R15.2 | length 101.1
  Top Layer w8: Q1.B -123.33,255 R15.2
NetQ1_E: Q1.E Q4.B | length 41.2
  Top Layer w7: Q1.E -103.41,286.26 Q4.B
NetQ2_E: Q2.E U1.6 | length 115.5
  Top Layer w7: Q2.E@-81.39,803.78 -81.39,827.88 -53.06,856.21 U1.6
NetQ3_B: Q3.B R4.2 | length 33.4
  Top Layer w8: R4.2 -329.81,658.14 Q3.B
NetQ3_E: Q3.E R2.1 U7.6 | length 221.5
  Top Layer w7: Q3.E -380.59,680.6 R2.1 -355.6,705.59 -355.19,705.59 v1(-355,705.78) ; v1(-315,790) -304,801 U7.6
  Bottom Layer w7: v1(-355,705.78) -355,780 -345,790 v1(-315,790)
NetQ5_B: Q5.B R23.1 | length 75.9
  Top Layer w6.06: Q5.B -297.22,757.41 R23.1
NetQ6_B: Q6.B R10.1 | length 927.6
  Top Layer w7: R10.1 v1(-176.27,963.6)
  Top Layer w8: Q6.B@112.61,359.31 112.62,362.43 v2(112.68,388.24)
  Bottom Layer w7: v1(-176.27,963.6) -200.27,939.6 -200.27,804.73 -270,735 -270,687.45 -116.43,533.89 61.5,533.89 87.4,508 87.4,413.65 v2@112.46,388.59
NetR1_2: R1.2 U1.30 | length 91.9
  Top Layer w7: U1.30@234.38,954.63 251.36,954.63 283.53,986.8 R1.2
NetR3_1: R3.1 U1.38 | length 318.3
  Top Layer w7: R3.1 -195.1,1054.38 -180.13,1039.41 -40.43,1039.41 v1(-39.84,1040) ; U1.38 67.18,1007.18 70,1010 v1(70,1020)
  Bottom Layer w7: v1@-41.1,1040 v1(-39.84,1040) 50,1040 v1(70,1020)
NetR4_1: R4.1 U3.6 | length 991
  Top Layer w7: R4.1 -271,691 -200.5,620.5 -120.36,620.5 -117.17,617.31 303.84,617.31 369.94,551.21 511.71,551.21 572,490.92 U3.6
NetR5_2: R5.2 U5.6 | length 54.6
  Top Layer w7: U5.6 -29.19,468 R5.2
NetR6_2: R6.2 T10.1 U5.3 | length 192.8
  Top Layer w8: R6.2 v2(-337,479.08) -325.92,468 U5.3
  Bottom Layer w7: v2(-337,479.08) -284.92,427 T10.1 T10.1@-268.08,427
NetR7_2: R7.2 U2.10 U3.8 | length 451.4
  Top Layer w7: U3.8 v1(622,719.4) ; R7.2 v1(663.54,947) 663.54,939.19 675.79,926.95 U2.10
  Bottom Layer w7: v1@621.92,718.84 621.92,811.92 716.73,906.73 716.73,932.42 702.15,947 v1(663.54,947)
NetR8_2: R8.2 U7.3 | length 466.4
  Top Layer w7: v2(-249.53,699) -211.14,737.4 -63.42,737.4 R8.2 ; v1(-205,775) -225,795 -225,855 -204.2,875.8 U7.3
  Bottom Layer w7: v2(-249.53,699) -249.53,730.47 v1(-205,775)
NetR9_1: R9.1 U4.6 | length 49.2
  Top Layer w7: U4.6 R9.1
NetR10_2: R10.2 U4.5 | length 49.2
  Top Layer w7: U4.5 R10.2
NetR16_1: R16.1 R17.1 TX.1 | length 481.7
  Top Layer w11.55: R17.1 R16.1
  Top Layer w20: TX.1 cw(c275.46,1115.82) R16.1
NetR20_2: R20.2 U1.5 | length 709.9
  Top Layer w6.06: v1(-40.05,875.89) U1.5 ; R20.2 84,398.29 126.6,440.89 v2(126.6,470.06) ; v2@161.73,506.5 v2(162.02,504.89) v1(161.73,599.33)
  Bottom Layer w6.06: v1(-40.05,875.89) -40.05,835.78 6.2,789.53 6.34,789.53 23.86,772.01 138.72,772.01 161.73,749 v1(161.73,599.33) ; v2(126.6,470.06) 126.88,469.75 v2(162.02,504.89)
NetR23_2: R23.2 U3.3 | length 900.4
  Top Layer w7: R23.2 R23.2@-273.58,757.4 ; R23.2@-272.76,756.58 R23.2@-273.58,757.4 ; v1(-100,765) -107.6,757.4 R23.2@-273.58,757.4 ; v2@233.19,561.81 341.32,561.81 422,481.13 U3.3
  Bottom Layer w7: v1(-100,765) -85,750 -50,750 -35,735 105,735 120,720 120,617.3 175.38,561.92 233.08,561.92 v2@234.63,560.37
  other v2: 234.04,560.96
NetR220_2: R220.2 U1.12 U9.1 | length 606
  Top Layer w7: U1.12 47.5,694.63 v2(91.88,650.25) ; U9.1 198.6,330.09 250.75,382.24 R220.2@312.95,382.24
  Bottom Layer w7: v2@90.99,651.14 90.99,632.17 233.69,489.46 v2(233.69,367.61)
NetS1_3: S1.3 U6.1 U6.6 | length 756.2
  Top Layer w7: v2(-206.64,393) -206.64,453.8 -117.6,542.84 S1.3@-7.51,542.84 ; v2(39.24,230) U6.6@74,230 ; U6.1@74,148 U6.6@74,230 ; U6.6@74,241 U6.6@74,230
  Top Layer w10: S1.3@-7.51,542.84 S1.3@4,531.33
  Bottom Layer w7: v2@-208.63,393 v2(-206.64,393) -123.76,393 v2(39.24,230)
NetT20_1: T20.1 U1.20 | length 135.8
  Top Layer w7: v1@204.66,680.34 U1.20@204.66,748
  Bottom Layer w7: v1(205,680) 205,639.73 T20.1
NetT34_1: T34.1 U1.34 | length 247.6
  Top Layer w7: v1(135.73,1039) 145.61,1029.12 U1.34@145.61,984.1
  Bottom Layer w7: v1(135.73,1039) 135.73,1010 151.73,994 T34.1
NetT35_1: T35.1 U1.35 | length 187.9
  Top Layer w7: v1(113.73,1034) 125.93,1021.81 U1.35@125.93,984.1
  Bottom Layer w7: v1(113.73,1034) 113.73,1069 121.73,1077 168.73,1077 T35.1
NetU1_15: U1.15 U5.2 | length 519.1
  Top Layer w7: U5.2@-285,518 -190.27,518 v1@-132.26,576.01
  Top Layer w8: v1@91,716 106.55,731.55 U1.15
  Bottom Layer w7: v1(-132,576.27) -108.32,599.95 ; -121.29,586.98 -108.32,599.95 ; v1@88.87,714.92 v1@88.87,717.75 ; v1(92.19,717.75) v1@88.87,717.75 ; -108.32,599.95 -95.33,612.94 -15.94,612.94 v1@88.87,717.75
NetU1_17: U1.17 U5.7 | length 410.2
  Top Layer w7: U5.7@-45.62,518 -49.04,518 -21.04,490 35.76,490 64.76,519 v2(64.76,586.26) ; v1(100,695) 115,710 126.73,710 145.61,728.88 U1.17@145.61,748
  Bottom Layer w7: v2(64.76,586.26) 64.76,659.76 v1(100,695)
NetU1_18: U1.18 U7.1 | length 477.3
  Top Layer w7: v1(-182.27,780) U7.1 ; v1(145,700) 145.73,700 165.29,719.56 U1.18@165.29,748
  Bottom Layer w7: v1(-182.27,780) -152.77,809.5 -115.44,809.5 -85.94,780 -55.24,780 2.4,780 27.06,755.33 114.67,755.33 145,725 v1(145,700)
NetU1_19: U1.19 U3.5 | length 505
  Top Layer w7: v1(184.98,710) U1.19@184.98,748 ; v1(501.73,527) 522,506.73 U3.5
  Bottom Layer w7: v1(184.98,710) 318.73,710 431.31,597.43 v1(501.73,527)
NetU2_5: U2.5 U3.10 | length 303.8
  Top Layer w7: U3.10 522,662.96 552.48,632.48 649.62,632.48 695.47,678.33 U2.5
NetU2_9: U2.9 U3.9 | length 336.9
  Top Layer w7: U3.9 v1@572,737.12 ; U2.9 v1(695.47,922.14)
  Bottom Layer w7: v1(573,737.11) 573,798 695.47,920.47 v1(695.47,922.14)
pads on no net: K7.2 K7.3@62.99,86.29 K7.4 TX.2 U1.2 U1.3 U1.7 U1.8 U1.9 U1.11 U1.13 U1.14 U1.16 U1.37 U2.1@581.3,762.94 U2.6 U2.7 U2.8 U2.13 U2.14 U2.15 U2.16 U3.1 U3.2 U3.7 U3.12 U3.13 U3.14 U4.1 U7.4 U8.4

## Polygon pours and split planes (outlines as drawn)
GND on Top Layer "Top Layer-No Net" (solid, remove dead copper): -571.68,1151.11 -571.68,-175.28 904.11,-175.28 904.11,1140.18 900.47,1143.82
GND on Bottom Layer "Top Layer-No Net" (solid, remove dead copper): -615.4,1151.11 -615.4,-171.64 -611.76,-175.28 889.54,-175.28 889.54,1143.82 882.25,1151.11

## Keep-outs
Keep-Out Layer:
  lines w3.94: -35.15,198.7 cw(c145.09,781.71) 317.09,196.22 317.09,-80 -35.27,-80 -35.14,198.76

## Other copper
Bottom Layer:
  pour cut-out: 150,155 150,70 185,70 185,155
Multi-Layer:
  pour cut-out: -472.27,1393.64 -472.27,1148 768.73,1148 768.73,1390.29

## Silkscreen, mask and mechanical layers (free items; w line width, h text height)
Top Overlay:
  lines w5: 265,70 285,70
Bottom Overlay:
  text "+" at 685.35,751.49 h80
  text "泰正" at 242.73,697 h99.37

## Dimensions
317.09,-80 to 145.09,1391.95 on Top Overlay
755.33,781.71 to -6460.27,-10105 on Top Overlay